# Altium PCB openservo_tessellated.PcbDoc (part 2 of 13) (continued)
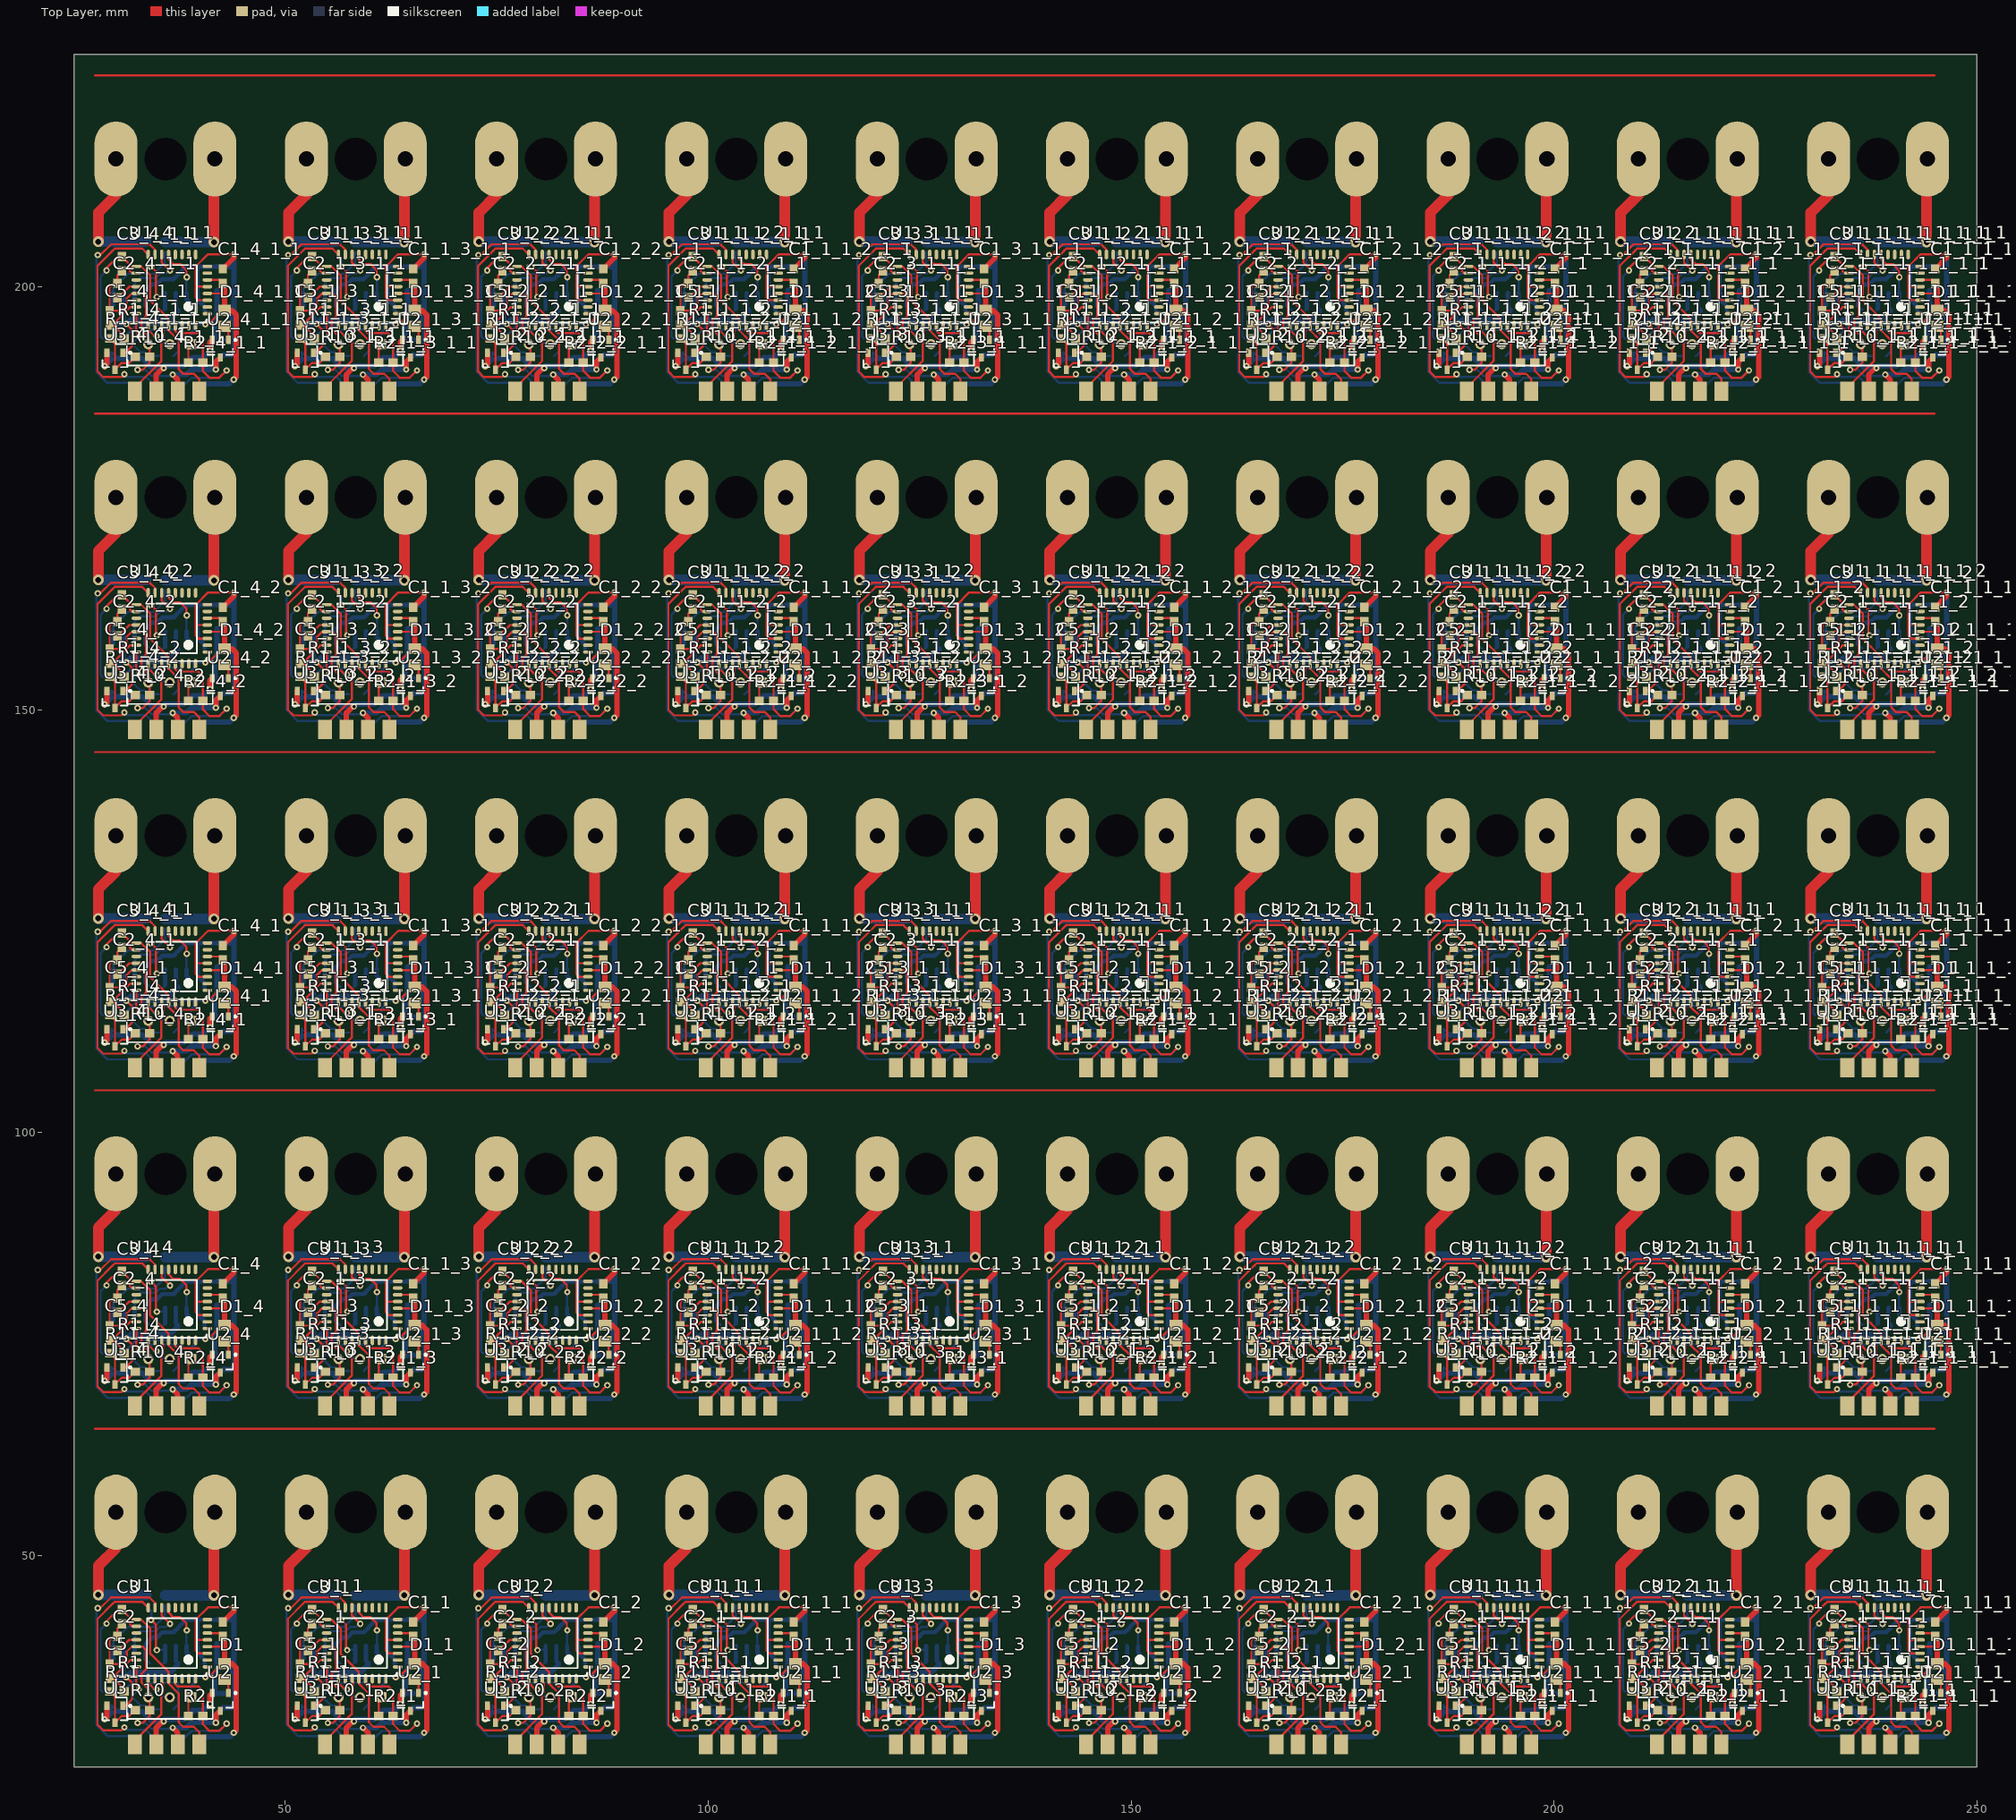
[diagram p0: Top Layer view]
## Components (designator, comment, footprint, x,y, rotation, side; value= is the part's Value field where it differs from the comment) (continued)
R7_1_1_2_2 "Res Semi" 1608[0603] 103.924,157.236 r0 bottom (schematic designator R7)
R7_1_2 "Res Semi" 1608[0603] 148.924,37.236 r0 bottom (schematic designator R7)
R7_1_2_1 "Res Semi" 1608[0603] 148.924,77.236 r0 bottom (schematic designator R7)
R7_1_2_1_1 "Res Semi" 1608[0603] 148.924,117.236 r0 bottom (schematic designator R7)
R7_1_2_1_1_1 "Res Semi" 1608[0603] 148.924,197.236 r0 bottom (schematic designator R7)
R7_1_2_1_2 "Res Semi" 1608[0603] 148.924,157.236 r0 bottom (schematic designator R7)
R7_1_3 "Res Semi" 1608[0603] 58.924,77.236 r0 bottom (schematic designator R7)
R7_1_3_1 "Res Semi" 1608[0603] 58.924,117.236 r0 bottom (schematic designator R7)
R7_1_3_1_1 "Res Semi" 1608[0603] 58.924,197.236 r0 bottom (schematic designator R7)
R7_1_3_2 "Res Semi" 1608[0603] 58.924,157.236 r0 bottom (schematic designator R7)
R7_2 "Res Semi" 1608[0603] 81.424,37.236 r0 bottom (schematic designator R7)
R7_2_1 "Res Semi" 1608[0603] 171.424,37.236 r0 bottom (schematic designator R7)
R7_2_1_1 "Res Semi" 1608[0603] 216.424,37.236 r0 bottom (schematic designator R7)
R7_2_1_1_1 "Res Semi" 1608[0603] 216.424,77.236 r0 bottom (schematic designator R7)
R7_2_1_1_1_1 "Res Semi" 1608[0603] 216.424,117.236 r0 bottom (schematic designator R7)
R7_2_1_1_1_1_1 "Res Semi" 1608[0603] 216.424,197.236 r0 bottom (schematic designator R7)
R7_2_1_1_1_2 "Res Semi" 1608[0603] 216.424,157.236 r0 bottom (schematic designator R7)
R7_2_1_2 "Res Semi" 1608[0603] 171.424,77.236 r0 bottom (schematic designator R7)
R7_2_1_2_1 "Res Semi" 1608[0603] 171.424,117.236 r0 bottom (schematic designator R7)
R7_2_1_2_1_1 "Res Semi" 1608[0603] 171.424,197.236 r0 bottom (schematic designator R7)
R7_2_1_2_2 "Res Semi" 1608[0603] 171.424,157.236 r0 bottom (schematic designator R7)
R7_2_2 "Res Semi" 1608[0603] 81.424,77.236 r0 bottom (schematic designator R7)
R7_2_2_1 "Res Semi" 1608[0603] 81.424,117.236 r0 bottom (schematic designator R7)
R7_2_2_1_1 "Res Semi" 1608[0603] 81.424,197.236 r0 bottom (schematic designator R7)
R7_2_2_2 "Res Semi" 1608[0603] 81.424,157.236 r0 bottom (schematic designator R7)
R7_3 "Res Semi" 1608[0603] 126.424,37.236 r0 bottom (schematic designator R7)
R7_3_1 "Res Semi" 1608[0603] 126.424,77.236 r0 bottom (schematic designator R7)
R7_3_1_1 "Res Semi" 1608[0603] 126.424,117.236 r0 bottom (schematic designator R7)
R7_3_1_1_1 "Res Semi" 1608[0603] 126.424,197.236 r0 bottom (schematic designator R7)
R7_3_1_2 "Res Semi" 1608[0603] 126.424,157.236 r0 bottom (schematic designator R7)
R7_4 "Res Semi" 1608[0603] 36.424,77.236 r0 bottom (schematic designator R7)
R7_4_1 "Res Semi" 1608[0603] 36.424,117.236 r0 bottom (schematic designator R7)
R7_4_1_1 "Res Semi" 1608[0603] 36.424,197.236 r0 bottom (schematic designator R7)
R7_4_2 "Res Semi" 1608[0603] 36.424,157.236 r0 bottom (schematic designator R7)
R8 "Res Semi" 1608[0603] 29.972,37.236 r0 bottom
R8_1 "Res Semi" 1608[0603] 52.472,37.236 r0 bottom (schematic designator R8)
R8_1_1 "Res Semi" 1608[0603] 97.472,37.236 r0 bottom (schematic designator R8)
R8_1_1_1 "Res Semi" 1608[0603] 187.472,37.236 r0 bottom (schematic designator R8)
R8_1_1_1_1 "Res Semi" 1608[0603] 232.472,37.236 r0 bottom (schematic designator R8)
R8_1_1_1_1_1 "Res Semi" 1608[0603] 232.472,77.236 r0 bottom (schematic designator R8)
R8_1_1_1_1_1_1 "Res Semi" 1608[0603] 232.472,117.236 r0 bottom (schematic designator R8)
R8_1_1_1_1_1_1_1 "Res Semi" 1608[0603] 232.472,197.236 r0 bottom (schematic designator R8)
R8_1_1_1_1_1_2 "Res Semi" 1608[0603] 232.472,157.236 r0 bottom (schematic designator R8)
R8_1_1_1_2 "Res Semi" 1608[0603] 187.472,77.236 r0 bottom (schematic designator R8)
R8_1_1_1_2_1 "Res Semi" 1608[0603] 187.472,117.236 r0 bottom (schematic designator R8)
R8_1_1_1_2_1_1 "Res Semi" 1608[0603] 187.472,197.236 r0 bottom (schematic designator R8)
R8_1_1_1_2_2 "Res Semi" 1608[0603] 187.472,157.236 r0 bottom (schematic designator R8)
R8_1_1_2 "Res Semi" 1608[0603] 97.472,77.236 r0 bottom (schematic designator R8)
R8_1_1_2_1 "Res Semi" 1608[0603] 97.472,117.236 r0 bottom (schematic designator R8)
R8_1_1_2_1_1 "Res Semi" 1608[0603] 97.472,197.236 r0 bottom (schematic designator R8)
R8_1_1_2_2 "Res Semi" 1608[0603] 97.472,157.236 r0 bottom (schematic designator R8)
R8_1_2 "Res Semi" 1608[0603] 142.472,37.236 r0 bottom (schematic designator R8)
R8_1_2_1 "Res Semi" 1608[0603] 142.472,77.236 r0 bottom (schematic designator R8)
R8_1_2_1_1 "Res Semi" 1608[0603] 142.472,117.236 r0 bottom (schematic designator R8)
R8_1_2_1_1_1 "Res Semi" 1608[0603] 142.472,197.236 r0 bottom (schematic designator R8)
R8_1_2_1_2 "Res Semi" 1608[0603] 142.472,157.236 r0 bottom (schematic designator R8)
R8_1_3 "Res Semi" 1608[0603] 52.472,77.236 r0 bottom (schematic designator R8)
R8_1_3_1 "Res Semi" 1608[0603] 52.472,117.236 r0 bottom (schematic designator R8)
R8_1_3_1_1 "Res Semi" 1608[0603] 52.472,197.236 r0 bottom (schematic designator R8)
R8_1_3_2 "Res Semi" 1608[0603] 52.472,157.236 r0 bottom (schematic designator R8)
R8_2 "Res Semi" 1608[0603] 74.972,37.236 r0 bottom (schematic designator R8)
R8_2_1 "Res Semi" 1608[0603] 164.972,37.236 r0 bottom (schematic designator R8)
R8_2_1_1 "Res Semi" 1608[0603] 209.972,37.236 r0 bottom (schematic designator R8)
R8_2_1_1_1 "Res Semi" 1608[0603] 209.972,77.236 r0 bottom (schematic designator R8)
R8_2_1_1_1_1 "Res Semi" 1608[0603] 209.972,117.236 r0 bottom (schematic designator R8)
R8_2_1_1_1_1_1 "Res Semi" 1608[0603] 209.972,197.236 r0 bottom (schematic designator R8)
R8_2_1_1_1_2 "Res Semi" 1608[0603] 209.972,157.236 r0 bottom (schematic designator R8)
R8_2_1_2 "Res Semi" 1608[0603] 164.972,77.236 r0 bottom (schematic designator R8)
R8_2_1_2_1 "Res Semi" 1608[0603] 164.972,117.236 r0 bottom (schematic designator R8)
R8_2_1_2_1_1 "Res Semi" 1608[0603] 164.972,197.236 r0 bottom (schematic designator R8)
R8_2_1_2_2 "Res Semi" 1608[0603] 164.972,157.236 r0 bottom (schematic designator R8)
R8_2_2 "Res Semi" 1608[0603] 74.972,77.236 r0 bottom (schematic designator R8)
R8_2_2_1 "Res Semi" 1608[0603] 74.972,117.236 r0 bottom (schematic designator R8)
R8_2_2_1_1 "Res Semi" 1608[0603] 74.972,197.236 r0 bottom (schematic designator R8)
R8_2_2_2 "Res Semi" 1608[0603] 74.972,157.236 r0 bottom (schematic designator R8)
R8_3 "Res Semi" 1608[0603] 119.972,37.236 r0 bottom (schematic designator R8)
R8_3_1 "Res Semi" 1608[0603] 119.972,77.236 r0 bottom (schematic designator R8)
R8_3_1_1 "Res Semi" 1608[0603] 119.972,117.236 r0 bottom (schematic designator R8)
R8_3_1_1_1 "Res Semi" 1608[0603] 119.972,197.236 r0 bottom (schematic designator R8)
R8_3_1_2 "Res Semi" 1608[0603] 119.972,157.236 r0 bottom (schematic designator R8)
R8_4 "Res Semi" 1608[0603] 29.972,77.236 r0 bottom (schematic designator R8)
R8_4_1 "Res Semi" 1608[0603] 29.972,117.236 r0 bottom (schematic designator R8)
R8_4_1_1 "Res Semi" 1608[0603] 29.972,197.236 r0 bottom (schematic designator R8)
R8_4_2 "Res Semi" 1608[0603] 29.972,157.236 r0 bottom (schematic designator R8)
R9 "Res Semi" 3216[1206] 29.439,33.68 r90 bottom
R9_1 "Res Semi" 3216[1206] 51.939,33.68 r90 bottom (schematic designator R9)
R9_1_1 "Res Semi" 3216[1206] 96.939,33.68 r90 bottom (schematic designator R9)
R9_1_1_1 "Res Semi" 3216[1206] 186.939,33.68 r90 bottom (schematic designator R9)
R9_1_1_1_1 "Res Semi" 3216[1206] 231.939,33.68 r90 bottom (schematic designator R9)
R9_1_1_1_1_1 "Res Semi" 3216[1206] 231.939,73.68 r90 bottom (schematic designator R9)
R9_1_1_1_1_1_1 "Res Semi" 3216[1206] 231.939,113.68 r90 bottom (schematic designator R9)
R9_1_1_1_1_1_1_1 "Res Semi" 3216[1206] 231.939,193.68 r90 bottom (schematic designator R9)
R9_1_1_1_1_1_2 "Res Semi" 3216[1206] 231.939,153.68 r90 bottom (schematic designator R9)
R9_1_1_1_2 "Res Semi" 3216[1206] 186.939,73.68 r90 bottom (schematic designator R9)
R9_1_1_1_2_1 "Res Semi" 3216[1206] 186.939,113.68 r90 bottom (schematic designator R9)
R9_1_1_1_2_1_1 "Res Semi" 3216[1206] 186.939,193.68 r90 bottom (schematic designator R9)
R9_1_1_1_2_2 "Res Semi" 3216[1206] 186.939,153.68 r90 bottom (schematic designator R9)
R9_1_1_2 "Res Semi" 3216[1206] 96.939,73.68 r90 bottom (schematic designator R9)
R9_1_1_2_1 "Res Semi" 3216[1206] 96.939,113.68 r90 bottom (schematic designator R9)
R9_1_1_2_1_1 "Res Semi" 3216[1206] 96.939,193.68 r90 bottom (schematic designator R9)
R9_1_1_2_2 "Res Semi" 3216[1206] 96.939,153.68 r90 bottom (schematic designator R9)
R9_1_2 "Res Semi" 3216[1206] 141.939,33.68 r90 bottom (schematic designator R9)
R9_1_2_1 "Res Semi" 3216[1206] 141.939,73.68 r90 bottom (schematic designator R9)
R9_1_2_1_1 "Res Semi" 3216[1206] 141.939,113.68 r90 bottom (schematic designator R9)
R9_1_2_1_1_1 "Res Semi" 3216[1206] 141.939,193.68 r90 bottom (schematic designator R9)
R9_1_2_1_2 "Res Semi" 3216[1206] 141.939,153.68 r90 bottom (schematic designator R9)
R9_1_3 "Res Semi" 3216[1206] 51.939,73.68 r90 bottom (schematic designator R9)
R9_1_3_1 "Res Semi" 3216[1206] 51.939,113.68 r90 bottom (schematic designator R9)
R9_1_3_1_1 "Res Semi" 3216[1206] 51.939,193.68 r90 bottom (schematic designator R9)
R9_1_3_2 "Res Semi" 3216[1206] 51.939,153.68 r90 bottom (schematic designator R9)
R9_2 "Res Semi" 3216[1206] 74.439,33.68 r90 bottom (schematic designator R9)
R9_2_1 "Res Semi" 3216[1206] 164.439,33.68 r90 bottom (schematic designator R9)
R9_2_1_1 "Res Semi" 3216[1206] 209.439,33.68 r90 bottom (schematic designator R9)
R9_2_1_1_1 "Res Semi" 3216[1206] 209.439,73.68 r90 bottom (schematic designator R9)
R9_2_1_1_1_1 "Res Semi" 3216[1206] 209.439,113.68 r90 bottom (schematic designator R9)
R9_2_1_1_1_1_1 "Res Semi" 3216[1206] 209.439,193.68 r90 bottom (schematic designator R9)
R9_2_1_1_1_2 "Res Semi" 3216[1206] 209.439,153.68 r90 bottom (schematic designator R9)
R9_2_1_2 "Res Semi" 3216[1206] 164.439,73.68 r90 bottom (schematic designator R9)
R9_2_1_2_1 "Res Semi" 3216[1206] 164.439,113.68 r90 bottom (schematic designator R9)
R9_2_1_2_1_1 "Res Semi" 3216[1206] 164.439,193.68 r90 bottom (schematic designator R9)
R9_2_1_2_2 "Res Semi" 3216[1206] 164.439,153.68 r90 bottom (schematic designator R9)
R9_2_2 "Res Semi" 3216[1206] 74.439,73.68 r90 bottom (schematic designator R9)
R9_2_2_1 "Res Semi" 3216[1206] 74.439,113.68 r90 bottom (schematic designator R9)
R9_2_2_1_1 "Res Semi" 3216[1206] 74.439,193.68 r90 bottom (schematic designator R9)
R9_2_2_2 "Res Semi" 3216[1206] 74.439,153.68 r90 bottom (schematic designator R9)
R9_3 "Res Semi" 3216[1206] 119.439,33.68 r90 bottom (schematic designator R9)
R9_3_1 "Res Semi" 3216[1206] 119.439,73.68 r90 bottom (schematic designator R9)
R9_3_1_1 "Res Semi" 3216[1206] 119.439,113.68 r90 bottom (schematic designator R9)
R9_3_1_1_1 "Res Semi" 3216[1206] 119.439,193.68 r90 bottom (schematic designator R9)
R9_3_1_2 "Res Semi" 3216[1206] 119.439,153.68 r90 bottom (schematic designator R9)
R9_4 "Res Semi" 3216[1206] 29.439,73.68 r90 bottom (schematic designator R9)
R9_4_1 "Res Semi" 3216[1206] 29.439,113.68 r90 bottom (schematic designator R9)
R9_4_1_1 "Res Semi" 3216[1206] 29.439,193.68 r90 bottom (schematic designator R9)
R9_4_2 "Res Semi" 3216[1206] 29.439,153.68 r90 bottom (schematic designator R9)
R10 "Res Semi" 1608[0603] 33.096,31.725 r180 top
R10_1 "Res Semi" 1608[0603] 55.596,31.725 r180 top (schematic designator R10)
R10_1_1 "Res Semi" 1608[0603] 100.596,31.725 r180 top (schematic designator R10)
R10_1_1_1 "Res Semi" 1608[0603] 190.596,31.725 r180 top (schematic designator R10)
R10_1_1_1_1 "Res Semi" 1608[0603] 235.596,31.725 r180 top (schematic designator R10)
R10_1_1_1_1_1 "Res Semi" 1608[0603] 235.596,71.725 r180 top (schematic designator R10)
R10_1_1_1_1_1_1 "Res Semi" 1608[0603] 235.596,111.725 r180 top (schematic designator R10)
R10_1_1_1_1_1_1_1 "Res Semi" 1608[0603] 235.596,191.725 r180 top (schematic designator R10)
R10_1_1_1_1_1_2 "Res Semi" 1608[0603] 235.596,151.725 r180 top (schematic designator R10)
R10_1_1_1_2 "Res Semi" 1608[0603] 190.596,71.725 r180 top (schematic designator R10)
R10_1_1_1_2_1 "Res Semi" 1608[0603] 190.596,111.725 r180 top (schematic designator R10)
R10_1_1_1_2_1_1 "Res Semi" 1608[0603] 190.596,191.725 r180 top (schematic designator R10)
R10_1_1_1_2_2 "Res Semi" 1608[0603] 190.596,151.725 r180 top (schematic designator R10)
R10_1_1_2 "Res Semi" 1608[0603] 100.596,71.725 r180 top (schematic designator R10)
R10_1_1_2_1 "Res Semi" 1608[0603] 100.596,111.725 r180 top (schematic designator R10)
R10_1_1_2_1_1 "Res Semi" 1608[0603] 100.596,191.725 r180 top (schematic designator R10)
R10_1_1_2_2 "Res Semi" 1608[0603] 100.596,151.725 r180 top (schematic designator R10)
R10_1_2 "Res Semi" 1608[0603] 145.596,31.725 r180 top (schematic designator R10)
R10_1_2_1 "Res Semi" 1608[0603] 145.596,71.725 r180 top (schematic designator R10)
R10_1_2_1_1 "Res Semi" 1608[0603] 145.596,111.725 r180 top (schematic designator R10)
R10_1_2_1_1_1 "Res Semi" 1608[0603] 145.596,191.725 r180 top (schematic designator R10)
R10_1_2_1_2 "Res Semi" 1608[0603] 145.596,151.725 r180 top (schematic designator R10)
R10_1_3 "Res Semi" 1608[0603] 55.596,71.725 r180 top (schematic designator R10)
R10_1_3_1 "Res Semi" 1608[0603] 55.596,111.725 r180 top (schematic designator R10)
R10_1_3_1_1 "Res Semi" 1608[0603] 55.596,191.725 r180 top (schematic designator R10)
R10_1_3_2 "Res Semi" 1608[0603] 55.596,151.725 r180 top (schematic designator R10)
R10_2 "Res Semi" 1608[0603] 78.096,31.725 r180 top (schematic designator R10)
R10_2_1 "Res Semi" 1608[0603] 168.096,31.725 r180 top (schematic designator R10)
R10_2_1_1 "Res Semi" 1608[0603] 213.096,31.725 r180 top (schematic designator R10)
R10_2_1_1_1 "Res Semi" 1608[0603] 213.096,71.725 r180 top (schematic designator R10)
R10_2_1_1_1_1 "Res Semi" 1608[0603] 213.096,111.725 r180 top (schematic designator R10)
R10_2_1_1_1_1_1 "Res Semi" 1608[0603] 213.096,191.725 r180 top (schematic designator R10)
R10_2_1_1_1_2 "Res Semi" 1608[0603] 213.096,151.725 r180 top (schematic designator R10)
R10_2_1_2 "Res Semi" 1608[0603] 168.096,71.725 r180 top (schematic designator R10)
R10_2_1_2_1 "Res Semi" 1608[0603] 168.096,111.725 r180 top (schematic designator R10)
R10_2_1_2_1_1 "Res Semi" 1608[0603] 168.096,191.725 r180 top (schematic designator R10)
R10_2_1_2_2 "Res Semi" 1608[0603] 168.096,151.725 r180 top (schematic designator R10)
R10_2_2 "Res Semi" 1608[0603] 78.096,71.725 r180 top (schematic designator R10)
R10_2_2_1 "Res Semi" 1608[0603] 78.096,111.725 r180 top (schematic designator R10)
R10_2_2_1_1 "Res Semi" 1608[0603] 78.096,191.725 r180 top (schematic designator R10)
R10_2_2_2 "Res Semi" 1608[0603] 78.096,151.725 r180 top (schematic designator R10)
R10_3 "Res Semi" 1608[0603] 123.096,31.725 r180 top (schematic designator R10)
R10_3_1 "Res Semi" 1608[0603] 123.096,71.725 r180 top (schematic designator R10)
R10_3_1_1 "Res Semi" 1608[0603] 123.096,111.725 r180 top (schematic designator R10)
R10_3_1_1_1 "Res Semi" 1608[0603] 123.096,191.725 r180 top (schematic designator R10)
R10_3_1_2 "Res Semi" 1608[0603] 123.096,151.725 r180 top (schematic designator R10)
R10_4 "Res Semi" 1608[0603] 33.096,71.725 r180 top (schematic designator R10)
R10_4_1 "Res Semi" 1608[0603] 33.096,111.725 r180 top (schematic designator R10)
R10_4_1_1 "Res Semi" 1608[0603] 33.096,191.725 r180 top (schematic designator R10)
R10_4_2 "Res Semi" 1608[0603] 33.096,151.725 r180 top (schematic designator R10)
R11 "Res Semi" 1608[0603] 30.074,33.909 r0 top
R11_1 "Res Semi" 1608[0603] 52.574,33.909 r0 top (schematic designator R11)
R11_1_1 "Res Semi" 1608[0603] 97.574,33.909 r0 top (schematic designator R11)
R11_1_1_1 "Res Semi" 1608[0603] 187.574,33.909 r0 top (schematic designator R11)
R11_1_1_1_1 "Res Semi" 1608[0603] 232.574,33.909 r0 top (schematic designator R11)
R11_1_1_1_1_1 "Res Semi" 1608[0603] 232.574,73.909 r0 top (schematic designator R11)
R11_1_1_1_1_1_1 "Res Semi" 1608[0603] 232.574,113.909 r0 top (schematic designator R11)
R11_1_1_1_1_1_1_1 "Res Semi" 1608[0603] 232.574,193.909 r0 top (schematic designator R11)
R11_1_1_1_1_1_2 "Res Semi" 1608[0603] 232.574,153.909 r0 top (schematic designator R11)
R11_1_1_1_2 "Res Semi" 1608[0603] 187.574,73.909 r0 top (schematic designator R11)
R11_1_1_1_2_1 "Res Semi" 1608[0603] 187.574,113.909 r0 top (schematic designator R11)
R11_1_1_1_2_1_1 "Res Semi" 1608[0603] 187.574,193.909 r0 top (schematic designator R11)
R11_1_1_1_2_2 "Res Semi" 1608[0603] 187.574,153.909 r0 top (schematic designator R11)
R11_1_1_2 "Res Semi" 1608[0603] 97.574,73.909 r0 top (schematic designator R11)
R11_1_1_2_1 "Res Semi" 1608[0603] 97.574,113.909 r0 top (schematic designator R11)
R11_1_1_2_1_1 "Res Semi" 1608[0603] 97.574,193.909 r0 top (schematic designator R11)
R11_1_1_2_2 "Res Semi" 1608[0603] 97.574,153.909 r0 top (schematic designator R11)
R11_1_2 "Res Semi" 1608[0603] 142.574,33.909 r0 top (schematic designator R11)
R11_1_2_1 "Res Semi" 1608[0603] 142.574,73.909 r0 top (schematic designator R11)
R11_1_2_1_1 "Res Semi" 1608[0603] 142.574,113.909 r0 top (schematic designator R11)
R11_1_2_1_1_1 "Res Semi" 1608[0603] 142.574,193.909 r0 top (schematic designator R11)
R11_1_2_1_2 "Res Semi" 1608[0603] 142.574,153.909 r0 top (schematic designator R11)
R11_1_3 "Res Semi" 1608[0603] 52.574,73.909 r0 top (schematic designator R11)
R11_1_3_1 "Res Semi" 1608[0603] 52.574,113.909 r0 top (schematic designator R11)
R11_1_3_1_1 "Res Semi" 1608[0603] 52.574,193.909 r0 top (schematic designator R11)
R11_1_3_2 "Res Semi" 1608[0603] 52.574,153.909 r0 top (schematic designator R11)
R11_2 "Res Semi" 1608[0603] 75.074,33.909 r0 top (schematic designator R11)
R11_2_1 "Res Semi" 1608[0603] 165.074,33.909 r0 top (schematic designator R11)
R11_2_1_1 "Res Semi" 1608[0603] 210.074,33.909 r0 top (schematic designator R11)
R11_2_1_1_1 "Res Semi" 1608[0603] 210.074,73.909 r0 top (schematic designator R11)
R11_2_1_1_1_1 "Res Semi" 1608[0603] 210.074,113.909 r0 top (schematic designator R11)
R11_2_1_1_1_1_1 "Res Semi" 1608[0603] 210.074,193.909 r0 top (schematic designator R11)
R11_2_1_1_1_2 "Res Semi" 1608[0603] 210.074,153.909 r0 top (schematic designator R11)
R11_2_1_2 "Res Semi" 1608[0603] 165.074,73.909 r0 top (schematic designator R11)
R11_2_1_2_1 "Res Semi" 1608[0603] 165.074,113.909 r0 top (schematic designator R11)
R11_2_1_2_1_1 "Res Semi" 1608[0603] 165.074,193.909 r0 top (schematic designator R11)
R11_2_1_2_2 "Res Semi" 1608[0603] 165.074,153.909 r0 top (schematic designator R11)
R11_2_2 "Res Semi" 1608[0603] 75.074,73.909 r0 top (schematic designator R11)
R11_2_2_1 "Res Semi" 1608[0603] 75.074,113.909 r0 top (schematic designator R11)
R11_2_2_1_1 "Res Semi" 1608[0603] 75.074,193.909 r0 top (schematic designator R11)
R11_2_2_2 "Res Semi" 1608[0603] 75.074,153.909 r0 top (schematic designator R11)
R11_3 "Res Semi" 1608[0603] 120.074,33.909 r0 top (schematic designator R11)
R11_3_1 "Res Semi" 1608[0603] 120.074,73.909 r0 top (schematic designator R11)
R11_3_1_1 "Res Semi" 1608[0603] 120.074,113.909 r0 top (schematic designator R11)
R11_3_1_1_1 "Res Semi" 1608[0603] 120.074,193.909 r0 top (schematic designator R11)
R11_3_1_2 "Res Semi" 1608[0603] 120.074,153.909 r0 top (schematic designator R11)
R11_4 "Res Semi" 1608[0603] 30.074,73.909 r0 top (schematic designator R11)
R11_4_1 "Res Semi" 1608[0603] 30.074,113.909 r0 top (schematic designator R11)
R11_4_1_1 "Res Semi" 1608[0603] 30.074,193.909 r0 top (schematic designator R11)
R11_4_2 "Res Semi" 1608[0603] 30.074,153.909 r0 top (schematic designator R11)
U1 "ATmega8L-8AI" 32A_N 36.576,39.624 r180 top
U1_1 "ATmega8L-8AI" 32A_N 59.076,39.624 r180 top (schematic designator U1)
U1_1_1 "ATmega8L-8AI" 32A_N 104.076,39.624 r180 top (schematic designator U1)
U1_1_1_1 "ATmega8L-8AI" 32A_N 194.076,39.624 r180 top (schematic designator U1)
U1_1_1_1_1 "ATmega8L-8AI" 32A_N 239.076,39.624 r180 top (schematic designator U1)
U1_1_1_1_1_1 "ATmega8L-8AI" 32A_N 239.076,79.624 r180 top (schematic designator U1)
U1_1_1_1_1_1_1 "ATmega8L-8AI" 32A_N 239.076,119.624 r180 top (schematic designator U1)
U1_1_1_1_1_1_1_1 "ATmega8L-8AI" 32A_N 239.076,199.624 r180 top (schematic designator U1)
U1_1_1_1_1_1_2 "ATmega8L-8AI" 32A_N 239.076,159.624 r180 top (schematic designator U1)
U1_1_1_1_2 "ATmega8L-8AI" 32A_N 194.076,79.624 r180 top (schematic designator U1)
U1_1_1_1_2_1 "ATmega8L-8AI" 32A_N 194.076,119.624 r180 top (schematic designator U1)
U1_1_1_1_2_1_1 "ATmega8L-8AI" 32A_N 194.076,199.624 r180 top (schematic designator U1)
U1_1_1_1_2_2 "ATmega8L-8AI" 32A_N 194.076,159.624 r180 top (schematic designator U1)
U1_1_1_2 "ATmega8L-8AI" 32A_N 104.076,79.624 r180 top (schematic designator U1)
U1_1_1_2_1 "ATmega8L-8AI" 32A_N 104.076,119.624 r180 top (schematic designator U1)
U1_1_1_2_1_1 "ATmega8L-8AI" 32A_N 104.076,199.624 r180 top (schematic designator U1)
U1_1_1_2_2 "ATmega8L-8AI" 32A_N 104.076,159.624 r180 top (schematic designator U1)
U1_1_2 "ATmega8L-8AI" 32A_N 149.076,39.624 r180 top (schematic designator U1)
U1_1_2_1 "ATmega8L-8AI" 32A_N 149.076,79.624 r180 top (schematic designator U1)
U1_1_2_1_1 "ATmega8L-8AI" 32A_N 149.076,119.624 r180 top (schematic designator U1)
U1_1_2_1_1_1 "ATmega8L-8AI" 32A_N 149.076,199.624 r180 top (schematic designator U1)
U1_1_2_1_2 "ATmega8L-8AI" 32A_N 149.076,159.624 r180 top (schematic designator U1)
U1_1_3 "ATmega8L-8AI" 32A_N 59.076,79.624 r180 top (schematic designator U1)
U1_1_3_1 "ATmega8L-8AI" 32A_N 59.076,119.624 r180 top (schematic designator U1)
U1_1_3_1_1 "ATmega8L-8AI" 32A_N 59.076,199.624 r180 top (schematic designator U1)
U1_1_3_2 "ATmega8L-8AI" 32A_N 59.076,159.624 r180 top (schematic designator U1)
U1_2 "ATmega8L-8AI" 32A_N 81.576,39.624 r180 top (schematic designator U1)
U1_2_1 "ATmega8L-8AI" 32A_N 171.576,39.624 r180 top (schematic designator U1)
U1_2_1_1 "ATmega8L-8AI" 32A_N 216.576,39.624 r180 top (schematic designator U1)
U1_2_1_1_1 "ATmega8L-8AI" 32A_N 216.576,79.624 r180 top (schematic designator U1)
U1_2_1_1_1_1 "ATmega8L-8AI" 32A_N 216.576,119.624 r180 top (schematic designator U1)
U1_2_1_1_1_1_1 "ATmega8L-8AI" 32A_N 216.576,199.624 r180 top (schematic designator U1)
U1_2_1_1_1_2 "ATmega8L-8AI" 32A_N 216.576,159.624 r180 top (schematic designator U1)
U1_2_1_2 "ATmega8L-8AI" 32A_N 171.576,79.624 r180 top (schematic designator U1)
U1_2_1_2_1 "ATmega8L-8AI" 32A_N 171.576,119.624 r180 top (schematic designator U1)
U1_2_1_2_1_1 "ATmega8L-8AI" 32A_N 171.576,199.624 r180 top (schematic designator U1)
U1_2_1_2_2 "ATmega8L-8AI" 32A_N 171.576,159.624 r180 top (schematic designator U1)
U1_2_2 "ATmega8L-8AI" 32A_N 81.576,79.624 r180 top (schematic designator U1)
U1_2_2_1 "ATmega8L-8AI" 32A_N 81.576,119.624 r180 top (schematic designator U1)
U1_2_2_1_1 "ATmega8L-8AI" 32A_N 81.576,199.624 r180 top (schematic designator U1)
U1_2_2_2 "ATmega8L-8AI" 32A_N 81.576,159.624 r180 top (schematic designator U1)
U1_3 "ATmega8L-8AI" 32A_N 126.576,39.624 r180 top (schematic designator U1)
U1_3_1 "ATmega8L-8AI" 32A_N 126.576,79.624 r180 top (schematic designator U1)
U1_3_1_1 "ATmega8L-8AI" 32A_N 126.576,119.624 r180 top (schematic designator U1)
U1_3_1_1_1 "ATmega8L-8AI" 32A_N 126.576,199.624 r180 top (schematic designator U1)
U1_3_1_2 "ATmega8L-8AI" 32A_N 126.576,159.624 r180 top (schematic designator U1)
U1_4 "ATmega8L-8AI" 32A_N 36.576,79.624 r180 top (schematic designator U1)
U1_4_1 "ATmega8L-8AI" 32A_N 36.576,119.624 r180 top (schematic designator U1)
U1_4_1_1 "ATmega8L-8AI" 32A_N 36.576,199.624 r180 top (schematic designator U1)
U1_4_2 "ATmega8L-8AI" 32A_N 36.576,159.624 r180 top (schematic designator U1)
U2 "LM3480IM3-5.0" MF03A_N 42.291,32.69 r270 top
U2_1 "LM3480IM3-5.0" MF03A_N 64.791,32.69 r270 top (schematic designator U2)
U2_1_1 "LM3480IM3-5.0" MF03A_N 109.791,32.69 r270 top (schematic designator U2)
U2_1_1_1 "LM3480IM3-5.0" MF03A_N 199.791,32.69 r270 top (schematic designator U2)
U2_1_1_1_1 "LM3480IM3-5.0" MF03A_N 244.791,32.69 r270 top (schematic designator U2)
U2_1_1_1_1_1 "LM3480IM3-5.0" MF03A_N 244.791,72.69 r270 top (schematic designator U2)
U2_1_1_1_1_1_1 "LM3480IM3-5.0" MF03A_N 244.791,112.69 r270 top (schematic designator U2)
U2_1_1_1_1_1_1_1 "LM3480IM3-5.0" MF03A_N 244.791,192.69 r270 top (schematic designator U2)
U2_1_1_1_1_1_2 "LM3480IM3-5.0" MF03A_N 244.791,152.69 r270 top (schematic designator U2)
U2_1_1_1_2 "LM3480IM3-5.0" MF03A_N 199.791,72.69 r270 top (schematic designator U2)
U2_1_1_1_2_1 "LM3480IM3-5.0" MF03A_N 199.791,112.69 r270 top (schematic designator U2)
U2_1_1_1_2_1_1 "LM3480IM3-5.0" MF03A_N 199.791,192.69 r270 top (schematic designator U2)
U2_1_1_1_2_2 "LM3480IM3-5.0" MF03A_N 199.791,152.69 r270 top (schematic designator U2)
U2_1_1_2 "LM3480IM3-5.0" MF03A_N 109.791,72.69 r270 top (schematic designator U2)
U2_1_1_2_1 "LM3480IM3-5.0" MF03A_N 109.791,112.69 r270 top (schematic designator U2)
U2_1_1_2_1_1 "LM3480IM3-5.0" MF03A_N 109.791,192.69 r270 top (schematic designator U2)
U2_1_1_2_2 "LM3480IM3-5.0" MF03A_N 109.791,152.69 r270 top (schematic designator U2)
U2_1_2 "LM3480IM3-5.0" MF03A_N 154.791,32.69 r270 top (schematic designator U2)
U2_1_2_1 "LM3480IM3-5.0" MF03A_N 154.791,72.69 r270 top (schematic designator U2)
U2_1_2_1_1 "LM3480IM3-5.0" MF03A_N 154.791,112.69 r270 top (schematic designator U2)
U2_1_2_1_1_1 "LM3480IM3-5.0" MF03A_N 154.791,192.69 r270 top (schematic designator U2)
U2_1_2_1_2 "LM3480IM3-5.0" MF03A_N 154.791,152.69 r270 top (schematic designator U2)
U2_1_3 "LM3480IM3-5.0" MF03A_N 64.791,72.69 r270 top (schematic designator U2)
U2_1_3_1 "LM3480IM3-5.0" MF03A_N 64.791,112.69 r270 top (schematic designator U2)
U2_1_3_1_1 "LM3480IM3-5.0" MF03A_N 64.791,192.69 r270 top (schematic designator U2)
U2_1_3_2 "LM3480IM3-5.0" MF03A_N 64.791,152.69 r270 top (schematic designator U2)
U2_2 "LM3480IM3-5.0" MF03A_N 87.291,32.69 r270 top (schematic designator U2)
U2_2_1 "LM3480IM3-5.0" MF03A_N 177.291,32.69 r270 top (schematic designator U2)
U2_2_1_1 "LM3480IM3-5.0" MF03A_N 222.291,32.69 r270 top (schematic designator U2)
U2_2_1_1_1 "LM3480IM3-5.0" MF03A_N 222.291,72.69 r270 top (schematic designator U2)
U2_2_1_1_1_1 "LM3480IM3-5.0" MF03A_N 222.291,112.69 r270 top (schematic designator U2)
U2_2_1_1_1_1_1 "LM3480IM3-5.0" MF03A_N 222.291,192.69 r270 top (schematic designator U2)
U2_2_1_1_1_2 "LM3480IM3-5.0" MF03A_N 222.291,152.69 r270 top (schematic designator U2)
U2_2_1_2 "LM3480IM3-5.0" MF03A_N 177.291,72.69 r270 top (schematic designator U2)
U2_2_1_2_1 "LM3480IM3-5.0" MF03A_N 177.291,112.69 r270 top (schematic designator U2)
U2_2_1_2_1_1 "LM3480IM3-5.0" MF03A_N 177.291,192.69 r270 top (schematic designator U2)
U2_2_1_2_2 "LM3480IM3-5.0" MF03A_N 177.291,152.69 r270 top (schematic designator U2)
U2_2_2 "LM3480IM3-5.0" MF03A_N 87.291,72.69 r270 top (schematic designator U2)
U2_2_2_1 "LM3480IM3-5.0" MF03A_N 87.291,112.69 r270 top (schematic designator U2)
U2_2_2_1_1 "LM3480IM3-5.0" MF03A_N 87.291,192.69 r270 top (schematic designator U2)
U2_2_2_2 "LM3480IM3-5.0" MF03A_N 87.291,152.69 r270 top (schematic designator U2)
U2_3 "LM3480IM3-5.0" MF03A_N 132.291,32.69 r270 top (schematic designator U2)
U2_3_1 "LM3480IM3-5.0" MF03A_N 132.291,72.69 r270 top (schematic designator U2)
U2_3_1_1 "LM3480IM3-5.0" MF03A_N 132.291,112.69 r270 top (schematic designator U2)
U2_3_1_1_1 "LM3480IM3-5.0" MF03A_N 132.291,192.69 r270 top (schematic designator U2)
U2_3_1_2 "LM3480IM3-5.0" MF03A_N 132.291,152.69 r270 top (schematic designator U2)
U2_4 "LM3480IM3-5.0" MF03A_N 42.291,72.69 r270 top (schematic designator U2)
U2_4_1 "LM3480IM3-5.0" MF03A_N 42.291,112.69 r270 top (schematic designator U2)
U2_4_1_1 "LM3480IM3-5.0" MF03A_N 42.291,192.69 r270 top (schematic designator U2)
U2_4_2 "LM3480IM3-5.0" MF03A_N 42.291,152.69 r270 top (schematic designator U2)
U3 "Header 3" SOT23_L 29.845,31.217 r270 top
U3_1 "Header 3" SOT23_L 52.345,31.217 r270 top (schematic designator U3)
U3_1_1 "Header 3" SOT23_L 97.345,31.217 r270 top (schematic designator U3)
U3_1_1_1 "Header 3" SOT23_L 187.345,31.217 r270 top (schematic designator U3)
U3_1_1_1_1 "Header 3" SOT23_L 232.345,31.217 r270 top (schematic designator U3)
U3_1_1_1_1_1 "Header 3" SOT23_L 232.345,71.217 r270 top (schematic designator U3)
U3_1_1_1_1_1_1 "Header 3" SOT23_L 232.345,111.217 r270 top (schematic designator U3)
U3_1_1_1_1_1_1_1 "Header 3" SOT23_L 232.345,191.217 r270 top (schematic designator U3)
U3_1_1_1_1_1_2 "Header 3" SOT23_L 232.345,151.217 r270 top (schematic designator U3)
U3_1_1_1_2 "Header 3" SOT23_L 187.345,71.217 r270 top (schematic designator U3)
U3_1_1_1_2_1 "Header 3" SOT23_L 187.345,111.217 r270 top (schematic designator U3)
U3_1_1_1_2_1_1 "Header 3" SOT23_L 187.345,191.217 r270 top (schematic designator U3)
U3_1_1_1_2_2 "Header 3" SOT23_L 187.345,151.217 r270 top (schematic designator U3)
U3_1_1_2 "Header 3" SOT23_L 97.345,71.217 r270 top (schematic designator U3)
U3_1_1_2_1 "Header 3" SOT23_L 97.345,111.217 r270 top (schematic designator U3)